# Altium PCB Board.PcbDoc (part 1 of 3) (continued)
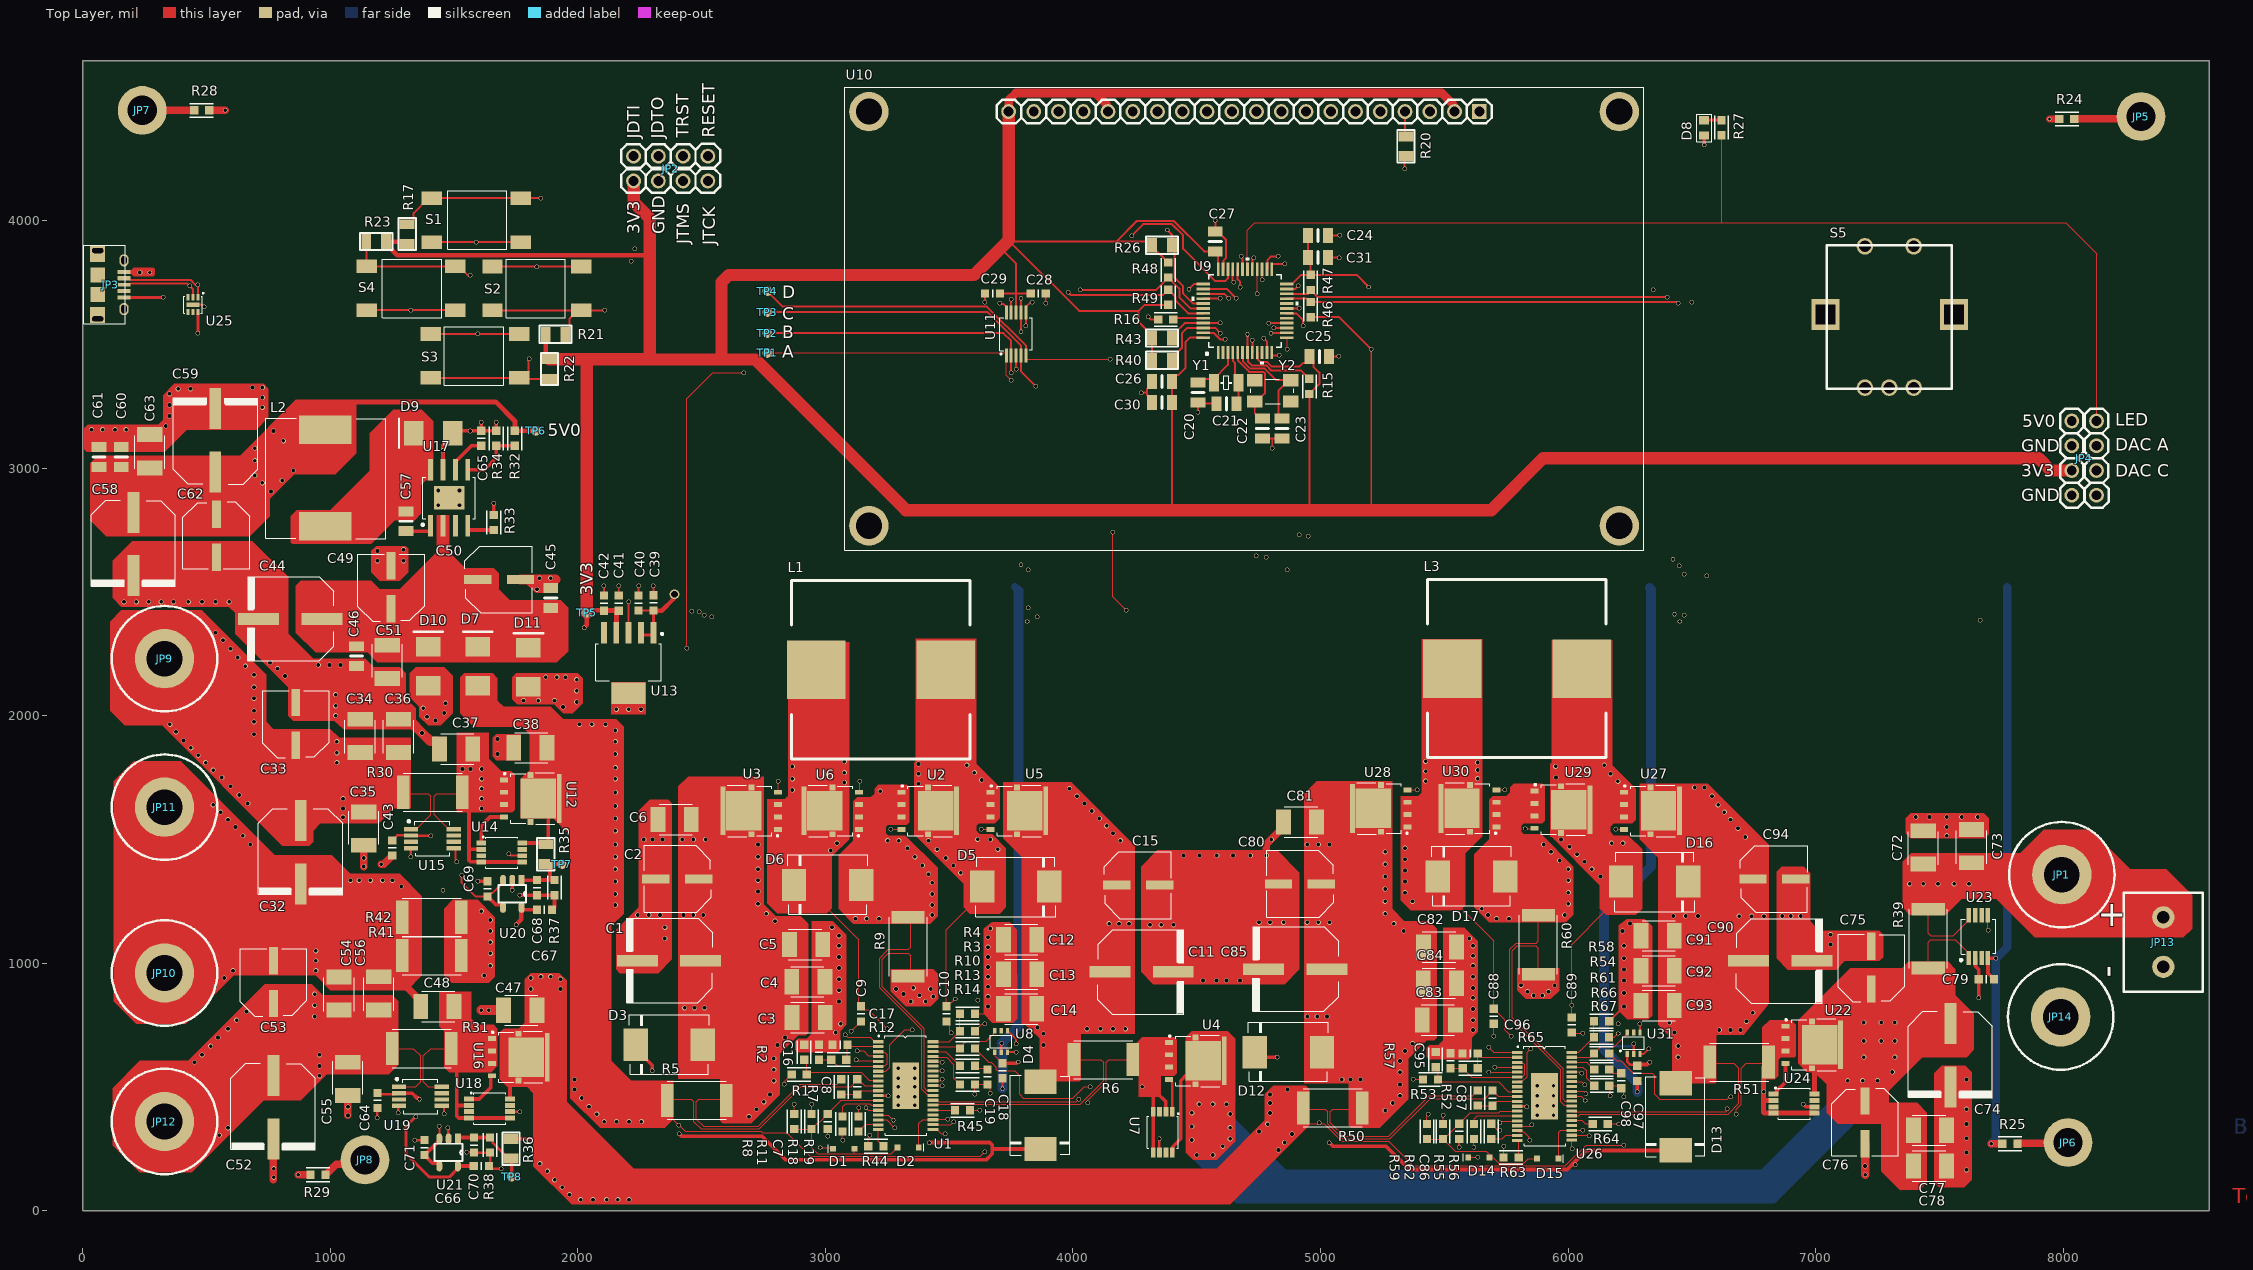
[diagram p0: Top Layer view]
## Components (designator, comment, footprint, x,y, rotation, side; value= is the part's Value field where it differs from the comment)
C1 "10-EEE-FN1K470UVTR-ND" EEE-FN1K470UV 2495.91,1010 r90 top
C2 "EEE-FN1K100XL" "panasonic d8" 2488.23,1340 r90 top value=10uF
C3 "VALUE" "1210 cap" 2864.61,780 r0 top
C4 "VALUE" "1210 cap" 2863.86,925 r0 top
C5 "VALUE" "1210 cap" 2854.61,1075 r0 top
C6 "VALUE" "1210 cap" 2458.11,1580 r180 top
C7 "4.7uF" SMD-0603C 3008.86,360 r0 top value=4700pF
C8 "470nF" SMD-0603C 3128.86,500 r180 top value=4700pF
C9 ".1uF" SMD-0603C 3143.86,795 r180 top value=4700pF
C10 ".1uF" SMD-0603C 3488.86,795 r180 top value=4700pF
C11 "10-EEE-FN1K470UVTR-ND" EEE-FN1K470UV 4149.09,965 r270 top
C12 "VALUE" "1210 cap" 3853.86,1095 r180 top
C13 "VALUE" "1210 cap" 3853.86,955 r180 top
C14 "VALUE" "1210 cap" 3853.86,815 r180 top
C15 "EEE-FN1K100XL" "panasonic d8" 4176.77,1315 r270 top value=10uF
C16 ".1uF" SMD-0603C 2973.86,640 r180 top value=4700pF
C17 "33nF" SMD-0603C 3058.86,670 r270 top value=4700pF
C18 "0.10µF" SMD-0603C 3715,565 r0 top
C19 "22nF" SMD-0603C 3655,540 r0 top value=4700pF
C20 "6pF" SMD-0805C 4505,3305 r180 top value=0.10µF
C21 "6pF" SMD-0805C 4620,3260 r90 top value=0.10µF
C22 "20pF" SMD-0805C 4765,3160 r180 top value=0.10µF
C23 "20pF" SMD-0805C 4845,3160 r180 top value=0.10µF
C24 "100nF" SMD-0805C 4990,3940 r90 top value=0.10µF
C25 "100nF" SMD-0805C 4995,3450 r90 top value=0.10µF
C26 "100nF" SMD-0805C 4360,3350 r270 top value=0.10µF
C27 "100nF" SMD-0805C 4575,3915 r180 top value=0.10µF
C28 "1uF" SMD-0603C 3860,3705 r90 top value=0.022µF
C29 ".1uF" SMD-0603C 3675,3705 r270 top value=0.022µF
C30 "10uF" SMD-0805C 4360,3265 r90 top value=0.10µF
C31 "10uF" SMD-0805C 4990,3850 r270 top value=0.10µF
C32 "10-EEE-FN1K470UVTR-ND" EEE-FN1K470UV 880,1575.91 r180 top
C33 "EEE-FN1K100XL" "panasonic d8" 860,1880 r0 top value=10uF
C34 "VALUE" "1210 cap" 1120,1850.75 r90 top
C35 "VALUE" "1210 cap" 1135,1610 r270 top
C36 "VALUE" "1210 cap" 1275,1850.75 r90 top
C37 "VALUE" "1210 cap" 1575,1865 r180 top
C38 "VALUE" "1210 cap" 1875,1870 r180 top
C39 ".22uF" SMD-0603C 2305,2455 r180 top value=0.22µF
C40 "1uF" SMD-0603C 2245,2454.65 r180 top value=0.22µF
C41 ".22uF" SMD-0603C 2165,2454.49 r180 top value=0.22µF
C42 "1uF" SMD-0603C 2105,2454.49 r180 top value=0.22µF
C43 ".47nF" SMD-0603C 1250,1465 r0 top value=2200pF
C44 "10-EEE-FN1K470UVTR-ND" EEE-FN1K470UV 965.91,2390 r90 top
C45 ".1uF" SMD-0805C 1890,2475 r180 top value=0.012µF
C46 ".47uF" SMD-0805C 1105,2240 r0 top value=0.012µF
C47 "VALUE" "1210 cap" 1834.25,810 r180 top
C48 "VALUE" "1210 cap" 1499.25,825 r180 top
C49 "EEE-FN1K100XL" "panasonic d8" 1245,2431.77 r0 top value=10uF
C50 "EEE-FN1K100XL" "panasonic d8" 1595,2550 r270 top value=10uF
C51 "VALUE" "1210 cap" 1230,2284.25 r270 top
C52 "10-EEE-FN1K470UVTR-ND" EEE-FN1K470UV 770,545.91 r180 top
C53 "EEE-FN1K100XL" "panasonic d8" 770,836.77 r0 top value=10uF
C54 "VALUE" "1210 cap" 1035,810 r90 top
C55 "VALUE" "1210 cap" 1070,599.25 r270 top
C56 "VALUE" "1210 cap" 1195,810.75 r90 top
C57 ".1uF" SMD-0805C 1305,2785 r180 top value=0.015µF
C58 "10-EEE-FN1K470UVTR-ND" EEE-FN1K470UV 205,2820.91 r180 top
C59 "10-EEE-FN1K470UVTR-ND" EEE-FN1K470UV 535,2984.09 r0 top
C60 ".1uF" SMD-0805C 155,3045 r180 top value=0.012µF
C61 ".47uF" SMD-0805C 65,3045 r180 top value=0.012µF
C62 "EEE-FN1K100XL" "panasonic d8" 540,2813.23 r180 top value=10uF
C63 "VALUE" "1210 cap" 270,3000.75 r90 top
C64 ".47nF" SMD-0603C 1190,445 r0 top value=2200pF
C65 "5nf" SMD-0603C 1610,3120 r180 top value=10000pF
C66 ".1uF" SMD-0603C 1610,180 r270 top value=0.033µF
C67 ".1uF" SMD-0603C 1865,1215 r270 top value=0.033µF
C68 "0.033µF" SMD-0603C 1835,1305 r180 top
C69 ".1uF" SMD-0603C 1635,1300 r0 top value=0.033µF
C70 "0.033µF" SMD-0603C 1580,265 r180 top
C71 ".1uF" SMD-0603C 1380,255 r0 top value=0.033µF
C72 "VALUE" "1210 cap" 7435,1400.75 r90 top
C73 "VALUE" "1210 cap" 7630,1405.75 r90 top
C74 "10-EEE-FN1K470UVTR-ND" EEE-FN1K470UV 7545,755.91 r180 top
C75 "EEE-FN1K100XL" "panasonic d8" 7225,895 r0 top value=10uF
C76 "EEE-FN1K100XL" "panasonic d8" 7200,443.23 r180 top value=10uF
C77 "VALUE" "1210 cap" 7395,325 r0 top
C78 "VALUE" "1210 cap" 7395,180 r0 top
C79 ".47nF" SMD-0603C 7690,935 r90 top value=2200pF
C80 "EEE-FN1K100XL" "panasonic d8" 5003.23,1320 r90 top value=10uF
C81 "VALUE" "1210 cap" 4984.25,1570 r180 top
C82 "VALUE" "1210 cap" 5415.75,1065 r0 top
C83 "VALUE" "1210 cap" 5410.75,770 r0 top
C84 "VALUE" "1210 cap" 5414.8,919.04 r0 top
C85 "10-EEE-FN1K470UVTR-ND" EEE-FN1K470UV 5025.91,975 r90 top
C86 "4.7uF" SMD-0603C 5560,320 r0 top value=4700pF
C87 "470nF" SMD-0603C 5695,454.49 r180 top value=4700pF
C88 ".1uF" SMD-0603C 5700,785 r180 top value=4700pF
C89 ".1uF" SMD-0603C 6015,750 r180 top value=4700pF
C90 "10-EEE-FN1K470UVTR-ND" EEE-FN1K470UV 6729.09,1010 r270 top
C91 "VALUE" "1210 cap" 6429.25,1110 r180 top
C92 "VALUE" "1210 cap" 6429.06,969.04 r180 top
C93 "VALUE" "1210 cap" 6429.06,829.04 r180 top
C94 "EEE-FN1K100XL" "panasonic d8" 6746.77,1340 r270 top value=10uF
C95 ".1uF" SMD-0603C 5525,605.51 r180 top value=4700pF
C96 "33nF" SMD-0603C 5604.49,635 r270 top value=4700pF
C97 "0.10µF" SMD-0603C 6280,554.49 r0 top
C98 "22nF" SMD-0603C 6215,525 r0 top value=4700pF
D1 "BAT46WJ,115" SOD323F 3073.86,250 r0 top
D2 "BAT46WJ,115" SOD323F 3333.86,255 r180 top
D3 "SK58L-TPMSTR-ND" SMC(DO-214AB) 2368.86,670 r0 top
D4 "SK58L-TPMSTR-ND" SMC(DO-214AB) 3868.86,385 r90 top
D5 "SK58L-TPMSTR-ND" SMC(DO-214AB) 3768.86,1310 r180 top
D6 "SK58L-TPMSTR-ND" SMC(DO-214AB) 3008.86,1315 r0 top
D7 "10BQ060" DO-214AA/SMB 1595,2200 r270 top
D8 "LED - 0805" "0805 SMD" 6550,4405 r270 top
D9 "B380B-13-F" DO-214AA/SMB 1415,3140 r0 top
D10 "VS-10BQ060-M3/5BT" DO-214AA/SMB 1395,2200 r270 top
D11 "10BQ060" DO-214AA/SMB 1800,2195 r270 top
D12 "SK58L-TPMSTR-ND" SMC(DO-214AB) 4870,640 r0 top
D13 "SK58L-TPMSTR-ND" SMC(DO-214AB) 6435,379.17 r90 top
D14 "BAT46WJ,115" SOD323F 5640,215 r0 top
D15 "BAT46WJ,115" SOD323F 5918.31,210 r180 top
D16 "SK58L-TPMSTR-ND" SMC(DO-214AB) 6350,1330 r180 top
D17 "SK58L-TPMSTR-ND" SMC(DO-214AB) 5610,1350 r0 top
JP1 "111-0703-001" "BANANA JACK POST" 7995,1357.43 r90 top
JP2 "77314-171LF" "2x4 Pin Header" 2175,4285 r0 top
JP3 "10118194-0001LF" 014-439 166.3,3740.63 r270 top
JP4 "77314-171LF" "2x4 Pin Header" 8160,3240 r270 top
JP5 "M3" M3-Hole 8315,4420 r0 top
JP6 "M3" M3-Hole 8020,275 r0 top
JP7 "M3" M3-Hole 240,4445 r0 top
JP8 "M3" M3-Hole 1140,205 r0 top
JP9 "111-0703-001" "BANANA JACK POST" 330,2230 r0 top
JP10 "111-0703-001" "BANANA JACK POST" 330,960 r0 top
JP11 "111-0703-001" "BANANA JACK POST" 330,1630 r0 top
JP12 "111-0703-001" "BANANA JACK POST" 330,360 r0 top
JP13 "1729128" 2x1_Term_Block 8405,985 r90 top
JP14 "111-0703-001" "BANANA JACK POST" 7990,782.43 r0 top
L1 "732-2174-2-ND" Inductor 3223.86,2185 r90 top
L2 "732-1207-2-ND" 8R2 980,2765 r0 top
L3 "732-2174-2-ND" Inductor 5793.19,2190 r90 top
R1 "866k" SMD-0603-RES 2893.86,550 r270 top value=5.6
R2 "1.58M" SMD-0603-RES 2913.86,640 r0 top value=5.6
R3 "1M" SMD-0603-RES 3573.86,725 r90 top value=5.6
R4 "52.6k" SMD-0603-RES 3573.86,795 r270 top value=5.6
R5 "0.003" 2512 2598.86,445 r180 top
R6 "0.009" 2512 4242.05,610 r180 top
R7 "51" SMD-0603-RES 3063.86,500 r180 top value=5.6
R8 "200K" SMD-0603-RES 2873.86,360 r0 top value=5.6
R9 "0.004" 2512 3333.86,946.81 r90 top
R10 "73.2K" SMD-0603-RES 3573.86,655 r90 top value=5.6
R11 "100K" SMD-0603-RES 2943.86,360 r0 top value=5.6
R12 "100K" SMD-0603-RES 3053.86,610 r270 top value=5.6
R13 "" SMD-0603-RES 3573.86,585 r270 top value=5.6
R14 "84.5k" SMD-0603-RES 3573.86,510 r270 top value=5.6
R15 "10k" SMD-0603-RES 4955,3330 r0 top value=1.6
R16 "10k" SMD-0603-RES 4375,3600 r90 top value=1.6
R17 "10K" SMD-0805-RES 1310,3945 r0 top value=0.1
R18 "1" SMD-0603-RES 3068.86,350 r0 top
R19 "1" SMD-0603-RES 3133.86,350 r180 top
R20 "10K" SMD-0805-RES 5345,4300 r180 top value=0.1
R21 "10K" SMD-0805-RES 1910,3540 r270 top value=0.1
R22 "10K" SMD-0805-RES 1885,3400 r180 top value=0.1
R23 "10K" SMD-0805-RES 1185,3915 r90 top value=0.1
R24 "0" SMD-0603-RES 8015,4410 r270 top value=0.33
R25 "0" SMD-0603-RES 7785,270 r270 top value=0.33
R26 "10K" SMD-0805-RES 4360,3900 r270 top value=0.1
R27 "1K" SMD-0603-RES 6620,4375 r0 top value=1.5
R28 "0" SMD-0603-RES 480,4445 r90 top value=0.33
R29 "0" SMD-0603-RES 950,145 r270 top value=0.33
R30 "1m" 2512 1295,1690 r0 top
R31 "1m" 2512 1250,655 r0 top
R32 "100K" SMD-0603-RES 1745,3120 r180 top value=0.22
R33 "49.66k" SMD-0603-RES 1660,2780 r180 top value=0.22
R34 "17.8K" SMD-0603-RES 1670,3120 r0 top value=0.22
R35 "100k" SMD-0805-RES 1870,1440 r0 top value=0.011
R36 "100k" SMD-0805-RES 1730,250 r0 top value=0.011
R37 "4.3k" SMD-0603-RES 1905,1305 r180 top value=2
R38 "4.3k" SMD-0603-RES 1645,265 r180 top value=2
R39 "1m" 2512 7455,980 r90 top
R40 "10K" SMD-0805-RES 4360,3435 r270 top value=0.1
R41 "0" 2512 1290,1030 r0 top
R42 "0" 2512 1290,1185 r0 top
R43 "10K" SMD-0805-RES 4360,3525 r270 top value=0.1
R44 "1" SMD-0603-RES 3203.86,260 r270 top
R45 "1" SMD-0603-RES 3553.86,405 r90 top
R46 "5K" SMD-0603-RES 4960,3640 r0 top value=1.5
R47 "5K" SMD-0603-RES 4960,3750 r180 top value=1.5
R48 "5K" SMD-0603-RES 4385,3800 r180 top value=1.5
R49 "5K" SMD-0603-RES 4385,3690 r0 top value=1.5
R50 "0.003" 2512 5168.19,415 r180 top
R51 "0.009" 2512 6810,600 r180 top
R52 "51" SMD-0603-RES 5635,455 r180 top value=5.6
R53 "866k" SMD-0603-RES 5444.49,530 r270 top value=5.6
R54 "1M" SMD-0603-RES 6135,700 r90 top value=5.6
R55 "1" SMD-0603-RES 5620,319.49 r0 top
R56 "1" SMD-0603-RES 5690,320 r180 top
R57 "1.58M" SMD-0603-RES 5465,610 r0 top value=5.6
R58 "52.6k" SMD-0603-RES 6135.51,765 r270 top value=5.6
R59 "200K" SMD-0603-RES 5430,319.49 r0 top value=5.6
R60 "0.004" 2512 5880,955 r90 top
R61 "73.2K" SMD-0603-RES 6135.51,635 r90 top value=5.6
R62 "100K" SMD-0603-RES 5495,319.49 r0 top value=5.6
R63 "1" SMD-0603-RES 5770,215 r270 top
R64 "1" SMD-0603-RES 6130,350 r90 top
R65 "100K" SMD-0603-RES 5605,575 r270 top value=5.6
R66 "" SMD-0603-RES 6136.02,570 r270 top value=5.6
R67 "84.5k" SMD-0603-RES 6136.02,505 r270 top value=5.6
S1 "FSM6JSMATR" "TACTILE 4 PIN SMD 6MM" 1768.27,4090 r270 top
S2 "FSM6JSMATR" "TACTILE 4 PIN SMD 6MM" 1655,3636.73 r90 top
S3 "FSM6JSMATR" "TACTILE 4 PIN SMD 6MM" 1405,3364.57 r90 top
S4 "FSM6JSMATR" "TACTILE 4 PIN SMD 6MM" 1505,3815 r270 top
S5 "PEC12R-4025F-S0024" PEC12R-4025F-S 7297.87,3324.72 r0 top
TP1 "TEST POINT 1MM" "TEST POINT" 2765,3465 r90 top
TP2 "TEST POINT 1MM" "TEST POINT" 2765,3545 r90 top
TP3 "TEST POINT 1MM" "TEST POINT" 2765,3630 r90 top
TP4 "TEST POINT 1MM" "TEST POINT" 2765,3715 r90 top
TP5 "TEST POINT 1MM" "TEST POINT" 2035,2415 r270 top
TP6 "TEST POINT 1MM" "TEST POINT" 1830,3150 r270 top
TP7 "TEST POINT 1MM" "TEST POINT" 1935,1400 r90 top
TP8 "TEST POINT 1MM" "TEST POINT" 1732.5,137.5 r0 top
U1 "LT3790IFE#TRPBF" TSSOP-38-GNDPAD 3213.62,682.17 r270 top
U2 "SQJA80EP-T1_GE3TR-ND" "POWERPAK® SO-8L SINGLE" 3773.86,1615 r270 top
U3 "SQJA80EP-T1_GE3TR-ND" "POWERPAK® SO-8L SINGLE" 2701.97,1615 r90 top
U4 "" "PowerPAK® SO-8L SINGLE" 4495,605 r270 top
U5 "SQJA80EP-T1_GE3TR-ND" "POWERPAK® SO-8L SINGLE" 3413.86,1615 r270 top
U6 "SQJA80EP-T1_GE3TR-ND" "POWERPAK® SO-8L SINGLE" 3028.86,1615 r90 top
U7 "LTC4359CMS8#TRPBF" 8-MSOP 4401.18,400 r180 top
U8 "MCP4017T-104E/LTTR-ND" SC70 3735.59,640 r90 top
U9 "STM32L151CBT6A" LQFP_151CBT6A_STM 4695,3635 r90 top
U10 "NHD-2.7-12864WDW3" NHD-2.7-12864WDW3 3740,4439.21 r0 top
U11 "296-15227-2-ND" 10-VSSOP 3809.37,3455 r90 top
U12 "SQJA80EP-T1_GE3TR-ND" "PowerPAK® SO-8L SINGLE" 1808.46,1665 r270 top
U13 "TPS79533DCQG4" "6 pin sot223" 2305,2335 r180 top
U14 "LTC4359CMS8#TRPBF" 8-MSOP 1609.65,1485 r270 top
U15 "LMP8480MME-S/NOPBTR-ND" DGK(S-PDSO-G8) 1325,1541.18 r270 top
U16 "SQJA80EP-T1_GE3TR-ND" "PowerPAK® SO-8L SINGLE" 1760,620 r270 top
U17 "296-44514-5-ND" "DDA R-PDSO-G8" 1405,2766.81 r0 top
U18 "LTC4359CMS8#TRPBF" 8-MSOP 1560.42,451.01 r270 top
U19 "LMP8480MME-S/NOPBTR-ND" DGK(S-PDSO-G8) 1276.77,500 r270 top
U20 "LMV321ILT" SOT-23-5 1772.4,1335 r270 top
U21 "LMV321ILT" SOT-23-5 1515,290.24 r270 top
U22 "" "PowerPAK® SO-8L SINGLE" 6985,670 r270 top
U23 "LMP8480MME-S/NOPBTR-ND" DGK(S-PDSO-G8) 7619.41,1020 r0 top
U24 "LTC4359CMS8#TRPBF" 8-MSOP 6830,470.59 r270 top
U25 "RCLAMP0854P.TCT" 6-UFDFN 474.92,3679.69 r270 top
U26 "LT3790IFE#TRPBF" TSSOP-38-GNDPAD 5795,639.24 r270 top
U27 "SQJA80EP-T1_GE3TR-ND" "PowerPAK® SO-8L SINGLE" 6333.86,1615 r270 top
U28 "SQJA80EP-T1_GE3TR-ND" "PowerPAK® SO-8L SINGLE" 5245,1625 r90 top
U29 "SQJA80EP-T1_GE3TR-ND" "PowerPAK® SO-8L SINGLE" 5971.89,1620 r270 top
U30 "SQJA80EP-T1_GE3TR-ND" "PowerPAK® SO-8L SINGLE" 5603.11,1625 r90 top
U31 "MCP4017T-104E/LTTR-ND" SC70 6290.59,633.39 r90 top
Y1 "SER4271CT-ND" ABS07-120 4570,3345 r0 top
Y2 "ECS-250-20-30B-TR" "4-SMD XTAL" 4734.33,3355 r0 top

## Footprints (in the part's own frame and the unit in brackets; to place one, negate y for a bottom-side part, rotate by r counter-clockwise, add the part's x,y. Pads: shape width x height; smd on the part's side, far side on the other; paste and mask are expansions set on the pad)
2x1_Term_Block [mil] "Phoenix Contact 1729128"
  round 90 hole 51.18: 1(0,0) 2(200,0)
  silkscreen extent -100,-159 300,159, body extent -122,-159 300,159, height 394
"2x4 Pin Header" [mil]
  round 60 hole 40.16: 1(50,-125) 2(50,-25) 3(150,-125) 4(150,-25) 5(250,-125) 6(250,-25) 7(350,-125) 8(350,-25)
  silkscreen extent 0,-172 400,25, body extent 2,-139 402,368, height 98
"4-SMD XTAL" [mm]
  rect 1.6x1.25 smd: 1(0,-2.2) 2(3.7,-2.2) 3(3.7,0) 4(0,0)
  silkscreen extent -0.4,-2.4 4,0.1, body extent -0.65,-2.69 4.3,0.51
"6 pin sot223" [mm]
  rect 0.6x2.2 smd: 1(0,0) 2(1.27,0) 3(2.54,0) 4(3.81,0) 5(5.08,0)
  rect 3.5x2.2 smd: 3(2.54,6.2)
  silkscreen extent -0.98,0.04 5.9,4.92, body extent -0.74,-0.61 5.81,6.65, height 2.05
6-UFDFN [mm]
  rect 0.63x0.3 smd: 1(-0.26,-0.26) 2(-0.26,-0.76) 3(-0.26,-1.26) 4(1.26,-1.26) 5(1.26,-0.76) 6(1.26,-0.26)
  rect 0.45x1.3 smd: 7(0.5,-0.76)
  silkscreen extent -0.69,-1.71 1.37,0.3, body extent -0.3,-1.56 1.3,0.04, height 0.55
8-MSOP [mm]
  rect 0.5x1 smd: 1(0,0) 2(0.65,0) 3(1.3,0) 4(1.95,0) 5(1.95,4.2) 6(1.3,4.2) 7(0.65,4.2) 8(0,4.2)
  silkscreen extent -0.63,0.2 2.59,3.75, body extent -0.57,-0.37 2.53,4.57, height 1.1
8R2 [mm]
  rect 5.4x2.9 smd: 1(0,0) 2(0,9.9)
  silkscreen extent -6.1,-1.3 6.2,11.1, body extent -6,-1.1 6,10.9, height 5.71
10-VSSOP [mm]
  rect 1.45x0.3 smd: 1(0,2) 2(0,1.5) 3(0,1) 4(0,0.5) 5(0,0) 6(4.4,0) 7(4.4,0.5) 8(4.4,1) 9(4.4,1.5) 10(4.4,2)
  silkscreen extent 0.11,-0.65 3.85,2.65, body extent -0.26,-0.5 4.66,2.5, height 1.1
014-439 [mm] "Micro USB B Receptacle"
  rect 0.45x1.35 smd mask+0.051: 1(-1.3,0) 2(-0.65,0)
  rect 0.4x1.35 smd mask+0.051: 3(0,0) 4(0.65,0) 5(1.3,0)
  rect 1.645x1.55 hole 1.15 slot 0.5 at 0 deg copper offset 0.37,0: 6(-3.5,-2.7)
  oval 1.25x0.95 hole 0.55 slot 0.85 at 0 deg: 6(-2.5,0) 6(2.5,0)
  rect 1.55x1.5 smd: 6(-1,-2.7) 6(1,-2.7)
  rect 1.645x1.55 hole 1.15 slot 0.5 at 0 deg copper offset -0.37,0: 6(3.5,-2.7)
  silkscreen extent -4.03,-4.15 4.03,0.15, body extent -4.02,-5.38 4.03,0.15, height 0.15
"0805 SMD" [mm]
  rect 0.838x1.031 smd: 1(0,0) 2(1.55,0)
  silkscreen extent -0.64,-0.76 2.2,0.76, body extent -0.2,-0.62 1.8,0.62, height 0.81
"1210 cap" [mm]
  rect 1.52x2.6 smd: 1(0,0) 2(3.41,0)
  silkscreen extent -0.1,-1.55 3.3,1.55, body extent -0.35,-1.24 3.65,1.25, height 1.7
2512 [mm]
  rect 1.3x3.4 smd: 1(0,0) 2(6.05,0)
  silkscreen extent 0,-1.95 6.05,1.95, body extent -0.17,-1.55 6.18,1.45, height 1.6
ABS07-120 [mm]
  rect 1x1.8 smd: 1(0,0) 2(2.5,0)
  silkscreen extent 0.7,-0.7 1.8,0.7, body extent -0.35,-0.75 2.85,0.75, height 0.89
"BANANA JACK POST" [mil]
  round 240 hole 144: 1(0,0)
  silkscreen extent -213,-213 213,213, body extent -226,-223 222,225, height 1059
"DDA R-PDSO-G8" [mm]
  rect 0.5x2.2 smd: 1(0,0) 2(1.27,0) 3(2.54,0) 4(3.81,0.008) 5(3.81,5.75) 6(2.54,5.75) 7(1.27,5.75) 8(0,5.75)
  rect 3.1x2.4 smd: 7(1.905,2.875)
  silkscreen extent -0.9,0 4.6,5, body extent -0.6,-0.2 4.4,6, height 1.53
DGK(S-PDSO-G8) [mm]
  rect 0.45x1.45 smd: 1(0,0) 2(0.65,0) 3(1.3,0) 4(1.95,0) 5(1.95,4.4) 6(1.3,4.4) 7(0.65,4.4) 8(0,4.4)
  silkscreen extent -0.9,-0.3 2.75,4, body extent -0.57,-0.33 2.53,4.76, height 1.1
DO-214AA/SMB [mm]
  rect 2x2.5 smd: 1(-2,0) 2(2,0)
  silkscreen extent -3.5,-1.5 -3.5,1.5, body extent -2.75,-1.95 2.75,1.95, height 2.45
EEE-FN1K470UV [mm]
  rect 1.2x4.2 smd: 1(0,6.5) 2(0,0)
  silkscreen extent -4.3,-1.23 4.36,7.6, body extent -4.2,-1.65 4.1,8.05, height 10.5
Inductor [mm]
  rect 6x6 smd: 1(0,6.65) 2(0,-6.65)
  silkscreen extent -9.15,-9.15 9.15,9.15, body extent -9.1,-9.15 9.1,9.15, height 8.95
LQFP_151CBT6A_STM [mil]
  rect 53.5x11 smd paste+0: 1(-168.25,108.3) 2(-168.25,88.6) 3(-168.25,68.91) 4(-168.25,49.23) 5(-168.25,29.53) 6(-168.25,9.85) 7(-168.25,-9.85) 8(-168.25,-29.53) 9(-168.25,-49.23) 10(-168.25,-68.91) 11(-168.25,-88.6) 12(-168.25,-108.3) 25(168.25,-108.3) 26(168.25,-88.6) 27(168.25,-68.91) 28(168.25,-49.23) 29(168.25,-29.53) 30(168.25,-9.85) 31(168.25,9.85) 32(168.25,29.53) 33(168.25,49.23) 34(168.25,68.91) 35(168.25,88.6) 36(168.25,108.3)
  rect 11x53.5 smd paste+0: 13(-108.3,-168.25) 14(-88.6,-168.25) 15(-68.91,-168.25) 16(-49.23,-168.25) 17(-29.53,-168.25) 18(-9.85,-168.25) 19(9.85,-168.25) 20(29.53,-168.25) 21(49.23,-168.25) 22(68.91,-168.25) 23(88.6,-168.25) 24(108.3,-168.25) 37(108.3,168.25) 38(88.6,168.25) 39(68.91,168.25) 40(49.23,168.25) 41(29.53,168.25) 42(9.85,168.25) 43(-9.85,168.25) 44(-29.53,168.25) 45(-49.23,168.25) 46(-68.91,168.25) 47(-88.6,168.25) 48(-108.3,168.25)
  silkscreen extent -215,-215 215,215, body extent -181,-181 181,181, height 63
M3-Hole [mm]
  round 5 hole 3: 1(0,0)
NHD-2.7-12864WDW3 [mm]
  round 1.524 hole 1.02: 1(15.28,0.02) 1(17.82,0.02) 1(20.36,0.02) 1(22.9,0.02) 1(25.44,0.02) 1(35.6,0.02) 1(38.14,0.02) 2(45.76,0.02) 4(40.68,0.02) 7(33.06,0.02) 8(30.52,0.02) 16(10.2,0.02) 17(7.66,0.02) 19(2.58,0.02) 20(0,0.02) ""(5.12,0.02) ""(12.74,0.02) ""(27.98,0.02) ""(43.22,0.02)
  rect 1.524x1.524 hole 1.02: 1(48.3,0.02)
  round 4.05 hole 2.7: MH1(62.67,0.02) MH2(-14.33,0.02) MH3(-14.33,-42.48) MH4(62.67,-42.48)
  silkscreen extent -16.83,-44.98 65.17,2.52, body extent -16.81,-44.97 65.19,2.53, height 3.8
"panasonic d8" [mm]
  rect 0.9x2.8 smd: 1(0,0) 2(0,4.4)
  silkscreen extent -3.4,-1.3 3.44,5.61, body extent -3.3,-1.3 3.3,5.7, height 7.76
PEC12R-4025F-S [mm]
  round 1.7 hole 1.2: 1(-2.5,14.5) 2(2.5,14.5) A(-2.5,0) B(2.5,0) C(0,0)
  rect 2.9x3.2 hole 2 square: ""(-6.55,7.5) ""(6.65,7.5)
  silkscreen extent -6.4,-0.1 6.4,14.6, body extent -7,-0.1 7,14.65, height 20
"POWERPAK® SO-8L SINGLE" [mm]
  rect 0.595x0.61 smd: D(-2.4,0) D(2.4,0)
  rect 5x0.51 smd: D(0,2.95)
  rect 4.061x3.63 smd: D(0,0.801)
  rect 0.5x0.82 smd: G(1.905,-2.715) S(-1.905,-2.715) S(-0.635,-2.715) S(0.635,-2.715)
  silkscreen extent -2.65,-2.7 2.65,2.5, body extent -2.56,-3 2.56,3.15, height 1.07
"PowerPAK® SO-8L SINGLE" [mm]
  rect 0.595x0.61 smd: D(-2.4,0) D(2.4,0)
  rect 5x0.51 smd: D(0,2.95)
  rect 4.061x3.63 smd: D(0,0.801)
  rect 0.5x0.82 smd: G(1.905,-2.715) S(-1.905,-2.715) S(-0.635,-2.715) S(0.635,-2.715)
  silkscreen extent -2.65,-2.7 2.65,2.5, body extent -2.56,-3 2.56,3.15, height 1.07
SC70 [mm]
  rect 0.6x0.35 smd: 1(0,1.3) 2(0,0.65) 3(0,0) 4(2.2,0) 5(2.2,0.65) 6(2.2,1.3)
  silkscreen extent 0.29,-0.43 1.74,2.03, body extent -0.07,-0.39 2.23,1.71, height 1
SMC(DO-214AB) [mm]
  rect 2.5x3.3 smd: 1(-3.45,0) 2(3.45,0)
  silkscreen extent -4.1,-3 4.1,3.1, body extent -3.98,-2.95 3.97,2.95, height 2.29
SMD-0603-RES [mm]
  rect 0.85x0.85 smd: 1(0,0.775) 2(0,-0.775)
  silkscreen extent -0.7,-1.2 0.7,1.2, body extent -0.4,-0.85 0.4,0.85, height 0.56
SMD-0603C [mm]
  rect 0.85x0.85 smd: 1(0,0.775) 2(0,-0.775)
  silkscreen extent -0.4,0 0.4,0, body extent -0.4,-0.8 0.4,0.8, height 0.9
SMD-0805-RES [mil]
  rect 60x40 smd: 1(0,40) 2(0,-40)
  silkscreen extent -35,-65 35,65, body extent -24,-39 26,39, height 31
SMD-0805C [mil]
  rect 60x40 smd: 1(0,40) 2(0,-40)
  silkscreen extent -25,0 25,0, body extent -25,-39 25,39, height 35